# Altium PCB 10515.0462_全联供主板(2拼版)_V1.0.PcbDoc (part 3 of 18)
Units mm, origin at the board's own origin, x right, y up, seen from the top; angles counter-clockwise.
Board outline 282 x 198 mm, 2 copper layers (Top Layer, Bottom Layer); 716 components, 0 nets, 2364 pads, 1800 vias.
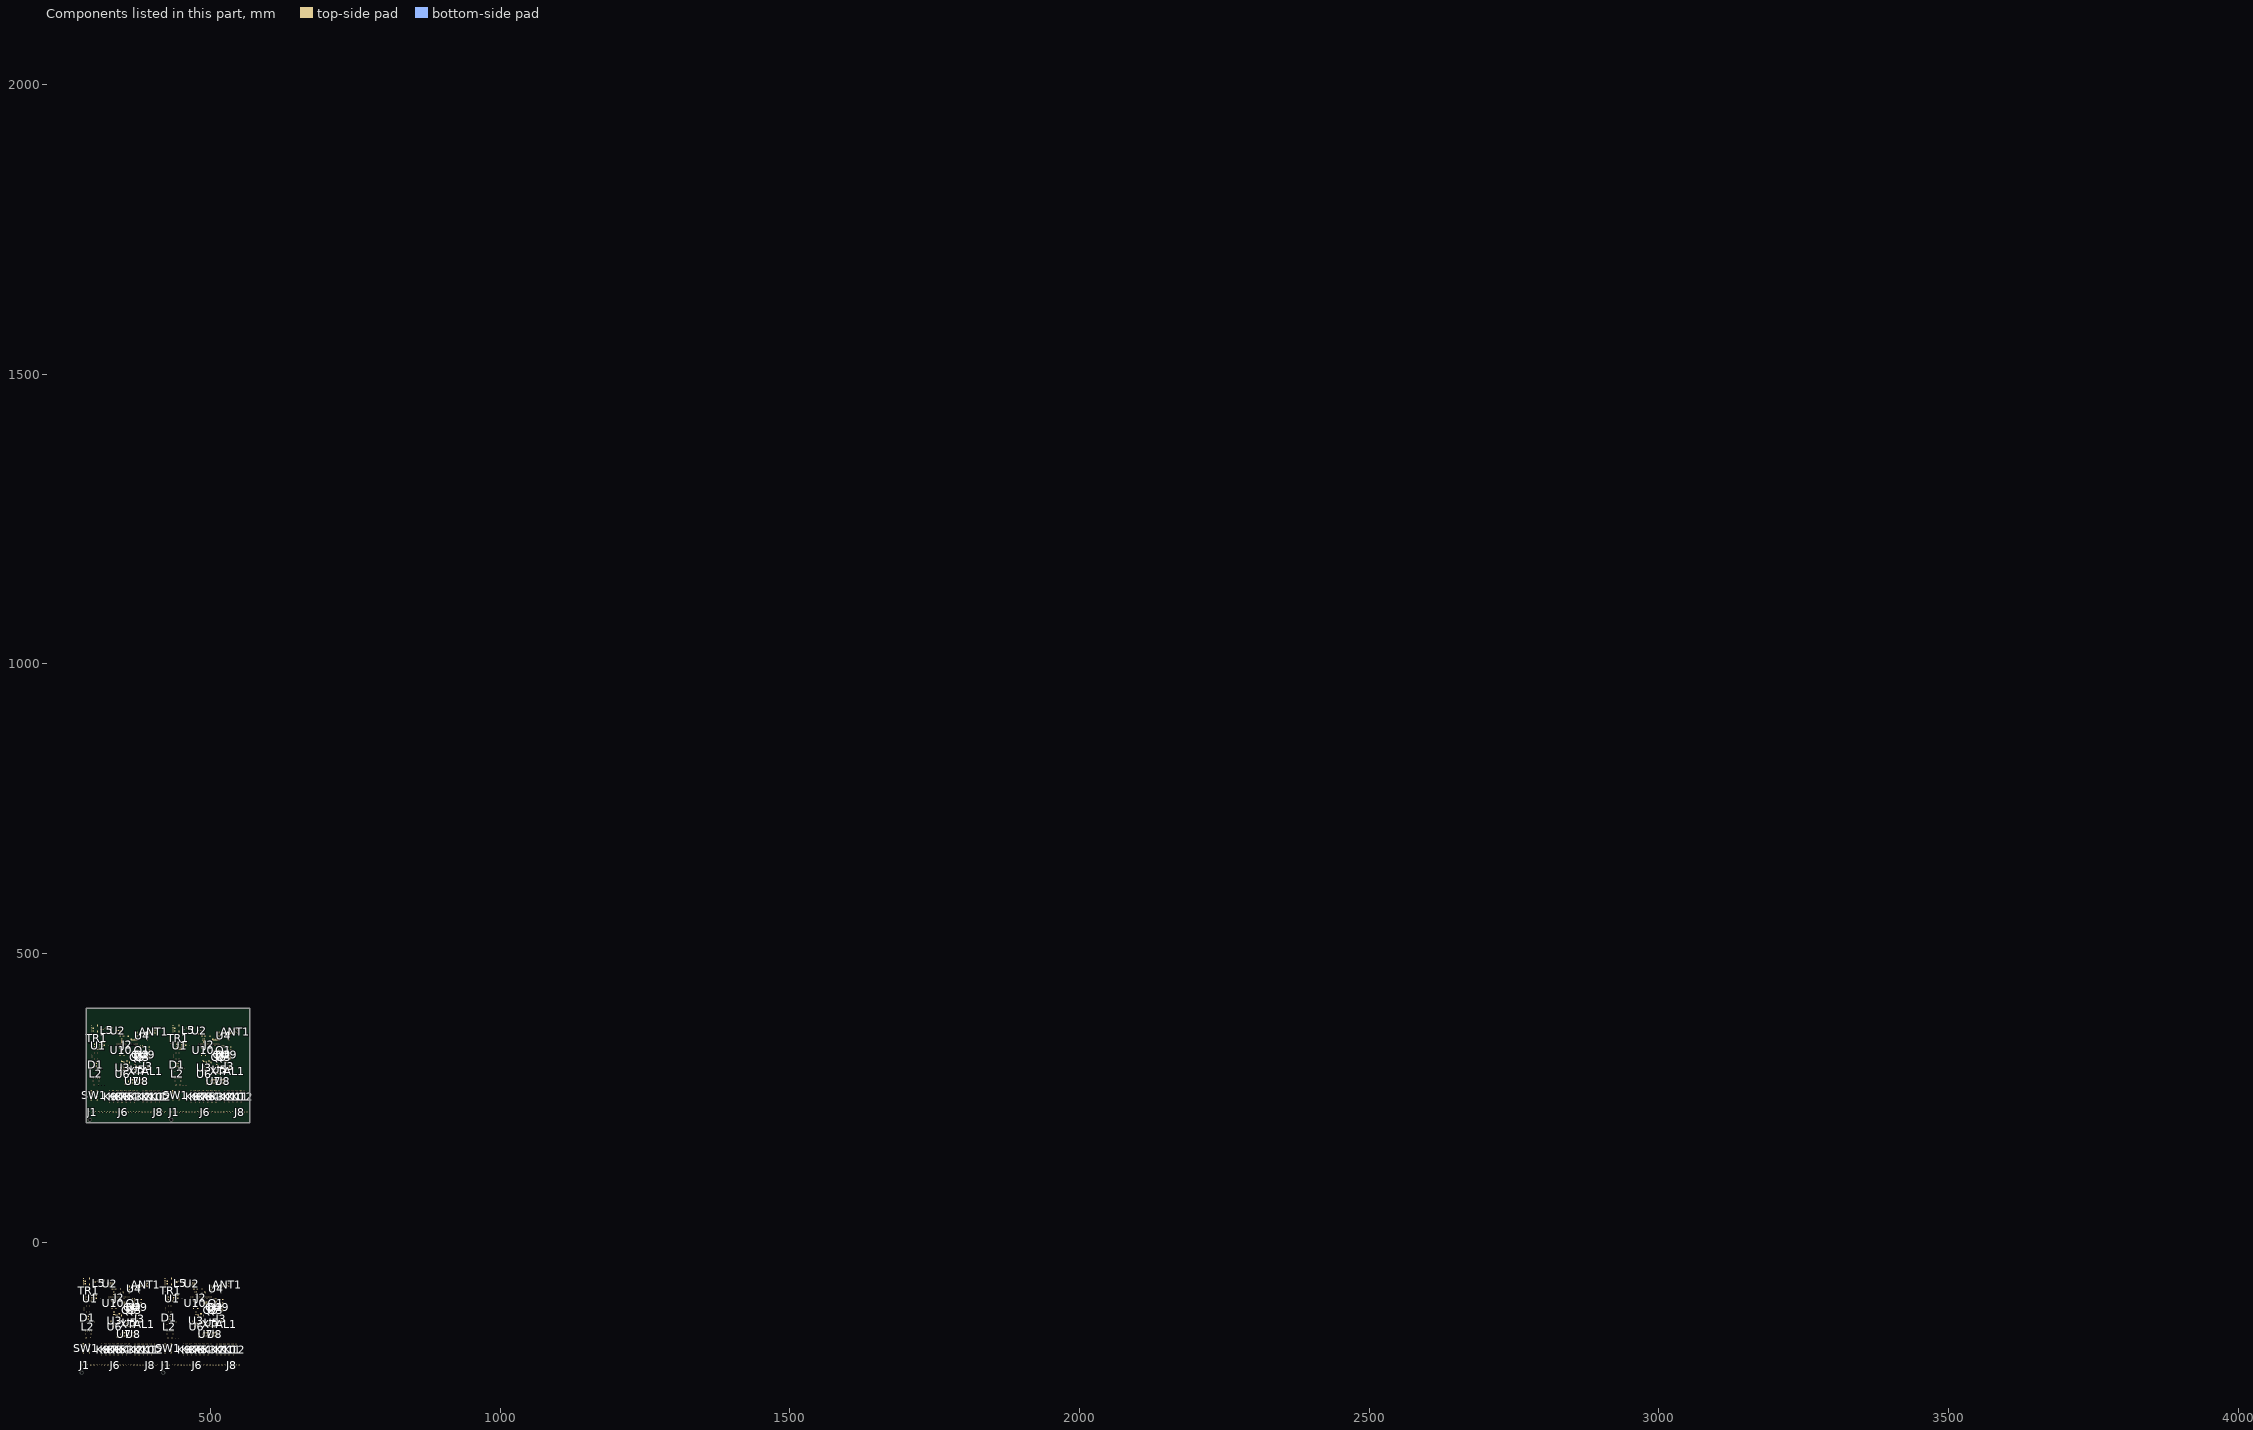
[diagram p3: the components of this part, seen from the top]

## Via types
v1: diameter 0.7, hole 0.4, Top Layer to Bottom Layer, tented both sides, 1800 vias

## Nets (pads, with @x,y where several pads share a name; then routed paths per layer and width w, separated by ;. In a path a pad name is that pad's centre, name@x,y a point inside that pad or via, vN(x,y) a via of type N, cw(c..) or ccw(c..) an arc to the next point about the centre after c; other vN are vias at no path point) (continued)
copper on no net: (continued)
  Top Layer w0.2: 323.371,-67.652 323.436,-67.652 ; 323.712,-72.355 ccw(c323.616,-72.151) 323.841,-72.151 ; 323.801,-72.683 cw(c324.172,-72.444) 323.86,-72.132 ; 323.841,-72.632 323.841,-72.151 ; 323.969,-72.575 cw(c324.386,-72.307) 324.036,-71.957 ; 323.971,-72.355 cw(c324.066,-72.151) 323.841,-72.151 ; 324.137,-72.467 cw(c324.6,-72.17) 324.211,-71.781 ; 324.458,-70.292 325.105,-70.292 325.481,-70.668 325.481,-71.4 325.1,-71.781 324.211,-71.781 ; 324.458,-68.992 325.095,-68.992 ; 324.858,-70.392 cw(c324.858,-71.23) 325.451,-70.638 ; 324.858,-70.192 cw(c324.858,-70.547) 325.109,-70.296 ; 324.891,-68.898 ccw(c325.015,-68.549) 325.276,-68.811 ; 324.91,-70.378 cw(c325.045,-70.599) 325.229,-70.416 ; 324.929,-70.363 cw(c325.099,-70.534) 325.099,-70.292 cw(c325.099,-70.051) 324.929,-70.222 ; 324.93,-69.062 cw(c325.095,-69.223) 325.095,-68.992 ; 324.93,-68.922 ccw(c325.095,-68.762) 325.095,-68.992 ; 325.06,-67.869 cw(c324.537,-68.392) 325.276,-68.392 cw(c326.016,-68.392) 325.493,-67.869 ; 325.276,-67.652 325.276,-68.811 ; v1@326.024,-70.292 327.204,-70.292 ; v1@326.166,-70.434 cw(c326.508,-70.776) 326.508,-70.292 ; v1@326.166,-70.08 ccw(c326.678,-69.568) 326.678,-70.292 ; 326.239,-68.483 ccw(c325.408,-67.652) 326.583,-67.652 ; 326.58,-68.142 ccw(c326.09,-67.652) 326.783,-67.652 ; 326.674,-68.048 cw(c326.889,-68.263) 326.889,-67.959 ; 326.733,-70.363 ccw(c326.563,-70.534) 326.563,-70.292 ccw(c326.563,-70.051) 326.733,-70.222 ; 326.733,-69.713 ccw(c326.563,-69.884) 326.563,-69.642 ccw(c326.563,-69.401) 326.733,-69.572 ; 326.927,-67.652 326.927,-67.795 326.116,-68.606 326.116,-69.368 326.39,-69.642 327.204,-69.642 328.503,-69.642 329.519,-70.658 ; 327.243,-136.468 327.274,-136.499 ; 327.675,-69.713 cw(c327.845,-69.884) 327.845,-69.642 cw(c327.845,-69.401) 327.675,-69.572 ; 328.786,-134.848 328.817,-134.848 328.892,-134.923 ; 328.817,-136.499 329.123,-136.193 ; 328.974,-70.112 cw(c328.367,-70.718) 329.225,-70.718 ; 329.091,-70.23 ccw(c329.531,-69.79) 329.531,-70.412 ; 329.277,-68.852 329.412,-68.987 329.531,-69.106 ; 337,368.943 337.065,368.943 ; 337.34,364.241 ccw(c337.245,364.445) 337.47,364.445 ; 337.43,363.913 cw(c337.801,364.151) 337.489,364.463 ; 337.46,-146.854 342.91,-146.854 343.314,-146.449 343.314,-140.308 343.601,-140.021 349.899,-140.021 ; 337.46,-145.584 342.402,-145.584 342.914,-145.071 342.914,-142.393 ; 337.47,363.963 337.47,364.445 ; 337.598,364.021 cw(c338.015,364.289) 337.664,364.639 ; 337.6,364.241 cw(c337.695,364.445) 337.47,364.445 ; 337.766,364.129 cw(c338.228,364.426) 337.84,364.814 ; 338.087,366.303 338.734,366.303 339.11,365.927 339.11,365.195 338.729,364.814 337.84,364.814 337.47,364.445 ; 338.087,367.603 338.724,367.603 ; 338.481,-91.369 338.481,-91.42 ; 338.487,366.203 cw(c338.487,365.365) 339.079,365.958 ; 338.487,366.403 cw(c338.487,366.048) 338.738,366.299 ; 338.52,367.698 ccw(c338.643,368.047) 338.905,367.785 ; 338.539,366.218 cw(c338.674,365.996) 338.857,366.18 ; 338.557,366.233 cw(c338.728,366.062) 338.728,366.303 cw(c338.728,366.545) 338.557,366.374 ; 338.558,367.534 cw(c338.724,367.373) 338.724,367.603 ; 338.558,367.673 ccw(c338.724,367.834) 338.724,367.603 ; 338.57,-146.998 cw(c338.919,-147.348) 338.919,-146.854 cw(c338.919,-146.359) 338.57,-146.709 ; 338.57,-145.728 cw(c338.919,-146.078) 338.919,-145.584 cw(c338.919,-145.089) 338.57,-145.439 ; 338.689,368.727 cw(c338.166,368.204) 338.905,368.204 cw(c339.645,368.204) 339.122,368.727 ; 338.905,368.943 338.905,367.785 ; v1@339.075,-108.463 ccw(c338.621,-108.425) 338.943,-108.103 ; 339.128,-93.967 cw(c339.738,-94.576) 339.805,-93.717 ; v1@339.303,-108.235 cw(c339.265,-107.781) 338.943,-108.103 ; 339.31,-93.785 ccw(c339.043,-93.517) 339.421,-93.517 ; v1(339.324,-108.484) 338.943,-108.103 ; 339.538,-96.34 cw(c338.252,-97.627) 340.071,-97.627 ; v1@339.653,366.303 340.833,366.303 ; 339.68,-96.199 cw(c338.734,-97.144) 340.071,-97.144 ; v1@339.795,366.162 cw(c340.136,365.82) 340.136,366.303 ; v1@339.795,366.515 ccw(c340.306,367.027) 340.306,366.303 ; 339.821,-96.057 cw(c339.217,-96.661) 340.071,-96.661 ; 339.821,-95.795 340.071,-96.046 340.071,-108.469 340.428,-108.825 351.314,-108.825 351.903,-109.414 351.903,-126.264 351.914,-126.264 352.278,-126.629 357.609,-126.629 358.272,-127.291 358.272,-131.621 ; 339.821,-93.255 339.821,-93.274 338.943,-94.152 338.943,-108.103 ; 339.867,368.112 ccw(c339.036,368.943) 340.212,368.943 ; 339.918,-134.923 339.993,-134.848 ; 340.209,368.454 ccw(c339.719,368.943) 340.412,368.943 ; 340.303,368.548 cw(c340.518,368.333) 340.518,368.637 ; 340.362,366.233 ccw(c340.191,366.062) 340.191,366.303 ccw(c340.191,366.545) 340.362,366.374 ; 340.362,366.883 ccw(c340.191,366.712) 340.191,366.953 ccw(c340.191,367.195) 340.362,367.024 ; v1@340.544,-107.545 ccw(c340.118,-107.118) 340.721,-107.118 ccw(c341.325,-107.118) v1@340.898,-107.545 ; 340.556,368.943 340.556,368.801 339.745,367.989 339.745,367.227 340.019,366.953 340.833,366.953 342.132,366.953 343.148,365.938 ; v1(340.721,-110.389) 340.721,-110.77 ; v1(340.721,-107.722) 340.721,-90.958 341.337,-90.342 374.865,-90.342 375.538,-89.669 375.538,-84.462 375.87,-84.13 ; 340.872,300.128 340.903,300.097 ; 341.303,366.883 cw(c341.474,366.712) 341.474,366.953 cw(c341.474,367.195) 341.303,367.024 ; v1@341.36,-107.214 ccw(c340.757,-107.214) 341.183,-106.787 ccw(c341.61,-106.36) v1@341.61,-106.964 ; v1(341.61,-107.214) 341.121,-106.725 341.121,-92.101 341.121,-91.339 341.718,-90.742 375.354,-90.742 376.027,-90.069 376.027,-86.64 376.537,-86.13 377.003,-86.13 ; v1(341.737,-110.389) 341.864,-110.262 350.269,-110.262 350.703,-110.697 350.703,-132.646 350.701,-132.648 350.701,-133.85 350.703,-133.852 350.703,-134.573 351.152,-135.021 354.372,-135.021 ; v1@341.772,-110.424 cw(c342.164,-110.816) 342.164,-110.262 ; v1@341.914,-110.566 cw(c342.647,-111.299) 342.647,-110.262 ; 342.078,-96.34 cw(c341.395,-97.023) 342.361,-97.023 cw(c343.327,-97.023) 342.644,-96.34 ; v1@342.122,-91.593 cw(c341.519,-91.593) 341.945,-92.02 cw(c342.372,-92.447) v1@342.372,-91.843 ; v1@342.195,-107.545 ccw(c341.769,-107.118) 342.372,-107.118 ccw(c342.976,-107.118) v1@342.549,-107.545 ; 342.361,-95.795 342.361,-106.314 343.022,-106.975 343.022,-107.864 343.584,-108.425 351.966,-108.425 352.303,-108.763 352.303,-125.756 352.684,-126.137 357.999,-126.137 358.772,-126.91 358.772,-131.621 ; 342.361,-93.255 343.161,-94.055 343.161,-106.467 343.422,-106.728 343.422,-107.698 343.749,-108.025 352.131,-108.025 352.703,-108.597 352.703,-125.292 353.04,-125.629 358.499,-125.629 359.272,-126.402 359.272,-131.621 ; v1(342.372,-107.722) 342.372,-106.96 341.521,-106.109 341.521,-92.444 v1(342.372,-91.593) ; 342.395,-93.715 cw(c342.515,-94.417) 343.019,-93.913 ; 342.415,301.748 342.446,301.748 342.52,301.673 ; 342.446,300.097 342.752,300.403 ; 342.602,366.483 cw(c341.996,365.877) 342.853,365.877 ; 342.72,366.366 ccw(c343.16,366.806) 343.16,366.183 ; v1@342.753,-112.036 cw(c342.753,-112.64) 343.18,-112.213 cw(c343.607,-111.786) v1@343.003,-111.786 ; v1(342.753,-111.786) 343.403,-112.436 344.658,-112.436 344.908,-112.186 349.249,-112.186 349.503,-112.44 349.503,-132.149 349.501,-132.151 349.501,-134.347 349.503,-134.349 349.503,-135.139 350.886,-136.521 354.372,-136.521 ; 342.761,-93.517 ccw(c343.094,-93.517) 342.859,-93.753 ; 342.906,367.744 343.041,367.608 343.16,367.49 ; 342.914,-141.134 342.914,-142.393 ; v1@343.465,-92.278 cw(c343.039,-92.705) 343.642,-92.705 cw(c344.246,-92.705) v1@343.819,-92.278 ; v1(343.642,-92.101) 343.642,-106.383 344.101,-106.842 ; v1@343.973,-107.164 ccw(c343.665,-106.856) 344.101,-106.856 ; v1(344.023,-111.786) 349.738,-111.786 349.903,-111.951 349.903,-132.315 349.901,-132.317 349.901,-134.181 349.903,-134.183 349.903,-134.973 350.951,-136.021 354.372,-136.021 ; v1(344.15,-107.341) 344.101,-107.292 344.101,-106.842 ; v1@344.2,-111.963 cw(c344.627,-112.39) 344.627,-111.786 cw(c344.627,-111.182) v1@344.2,-111.609 ; 344.212,-93.944 cw(c344.778,-94.51) 344.876,-93.716 ; v1@344.268,-107.121 cw(c344.417,-106.842) 344.101,-106.842 ; 344.403,-93.753 ccw(c344.168,-93.517) 344.501,-93.517 ; 344.617,-136.435 344.642,-136.461 ; 344.618,-96.34 cw(c343.935,-97.023) 344.901,-97.023 cw(c345.867,-97.023) 345.184,-96.34 ; 344.901,-95.795 344.901,-106.441 345.686,-107.225 353.179,-107.225 353.503,-107.55 353.503,-124.403 353.929,-124.829 359.461,-124.829 360.272,-125.64 360.272,-131.621 ; 344.901,-93.255 344.054,-94.103 344.054,-106.228 345.451,-107.625 352.69,-107.625 353.103,-108.039 353.103,-124.911 353.421,-125.229 358.98,-125.229 359.772,-126.021 359.772,-131.621 ; v1@345.293,-112.929 v1(345.547,-112.929) 348.468,-112.929 349.103,-113.564 349.103,-131.984 349.101,-131.986 349.101,-134.512 349.103,-134.514 349.103,-135.386 350.739,-137.021 354.372,-137.021 ; v1@345.678,-106.452 ccw(c345.075,-106.452) 345.501,-106.025 ccw(c345.928,-105.598) v1@345.928,-106.202 ; v1@345.724,-113.106 cw(c346.151,-113.533) 346.151,-112.929 cw(c346.151,-112.325) v1@345.724,-112.752 ; v1@345.751,-92.278 cw(c345.325,-92.705) 345.928,-92.705 cw(c346.532,-92.705) v1@346.105,-92.278 ; v1(345.928,-106.452) 345.42,-105.944 345.42,-97.17 345.928,-96.662 v1(345.928,-92.101) ; 346.102,-136.461 346.127,-136.461 ; 346.187,-138.115 cw(c345.504,-138.798) 346.47,-138.798 cw(c347.436,-138.798) 346.753,-138.115 ; 346.47,-137.832 346.47,-138.848 346.654,-139.032 354.361,-139.032 354.372,-139.021 ; 347.436,-153.924 ccw(c347.009,-153.497) 347.613,-153.497 ccw(c348.217,-153.497) 347.79,-153.924 ; 347.507,-136.097 347.833,-136.424 349.507,-136.424 350.604,-137.521 354.372,-137.521 ; 347.613,-154.85 347.613,-150.278 348.267,-149.624 356.757,-149.624 357.272,-149.109 357.272,-143.921 ; 347.897,-105.537 cw(c347.374,-106.06) 348.114,-106.06 cw(c348.854,-106.06) 348.331,-105.537 ; 347.994,-137.832 347.994,-138.285 348.341,-138.632 353.118,-138.632 353.229,-138.521 354.372,-138.521 ; 348.058,-136.652 cw(c348.609,-137.203) 348.609,-136.424 ; 348.058,-136.219 ccw(c348.554,-135.723) 348.554,-136.424 ; 348.114,-105.32 348.114,-106.471 348.468,-106.825 353.515,-106.825 353.903,-107.214 353.903,-124.105 354.227,-124.429 360.069,-124.429 360.772,-125.132 360.772,-131.621 ; 348.114,-103.669 v1@348.756,-103.669 ; 348.399,-103.85 cw(c348.756,-104.111) v1@348.756,-103.669 ; 348.399,-103.489 ccw(c348.756,-103.228) v1@348.756,-103.669 ; 348.706,-153.924 ccw(c348.279,-153.497) 348.883,-153.497 ccw(c349.487,-153.497) 349.06,-153.924 ; v1@348.706,-103.846 ccw(c348.279,-104.273) 348.279,-103.669 ccw(c348.279,-103.066) v1@348.706,-103.493 ; 348.883,-154.85 348.883,-150.786 349.645,-150.024 357.138,-150.024 357.772,-149.39 357.772,-143.921 ; 349.682,-141.238 ccw(c349.159,-140.715) 349.899,-140.715 ccw(c350.639,-140.715) 350.116,-141.238 ; 349.707,-138.021 354.372,-138.021 ; 349.899,-141.492 349.899,-140.021 ; 349.976,-153.924 ccw(c349.549,-153.497) 350.153,-153.497 ccw(c350.757,-153.497) 350.33,-153.924 ; 350.153,-154.85 350.153,-151.167 350.845,-150.475 357.703,-150.475 358.272,-149.906 358.272,-143.921 ; 351.089,289.742 356.539,289.742 356.943,290.146 356.943,296.287 357.229,296.574 363.528,296.574 ; 351.089,291.012 356.031,291.012 356.543,291.524 356.543,294.202 ; 351.246,-153.924 ccw(c350.819,-153.497) 351.423,-153.497 ccw(c352.027,-153.497) 351.6,-153.924 ; 351.423,-154.85 351.423,-151.421 351.969,-150.875 358.192,-150.875 358.772,-150.295 358.772,-143.921 ; 351.46,-105.537 cw(c350.937,-106.06) 351.677,-106.06 cw(c352.417,-106.06) 351.894,-105.537 ; 351.632,-101.941 v1@352.262,-101.941 ; 351.657,-141.49 351.727,-141.49 ; 351.677,-105.32 351.677,-106.078 352.024,-106.425 354.03,-106.425 354.303,-106.699 354.303,-123.724 354.303,-123.768 354.564,-124.029 360.55,-124.029 361.272,-124.751 361.272,-131.621 ; 351.677,-103.669 v1(352.439,-103.669) ; 351.727,-143.141 352.464,-143.141 ; 351.92,-102.118 cw(c352.262,-102.36) v1@352.262,-101.941 ; 351.92,-101.765 ccw(c352.262,-101.523) v1@352.262,-101.941 ; 351.935,-103.883 cw(c352.439,-104.371) v1@352.439,-103.669 ; 351.935,-103.456 ccw(c352.439,-102.968) v1@352.439,-103.669 ; 351.944,-143.357 cw(c352.464,-143.875) 352.464,-143.141 ; 351.944,-142.925 ccw(c352.464,-142.407) 352.464,-143.141 ; 352.11,345.226 352.11,345.175 ; 352.199,289.597 cw(c352.548,289.247) 352.548,289.742 cw(c352.548,290.236) 352.199,289.887 ; 352.199,290.867 cw(c352.548,290.517) 352.548,291.012 cw(c352.548,291.506) 352.199,291.157 ; v1@352.212,-102.118 ccw(c351.785,-102.545) 351.785,-101.941 ccw(c351.785,-101.338) v1@352.212,-101.765 ; v1@352.262,-103.846 ccw(c351.835,-104.273) 351.835,-103.669 ccw(c351.835,-103.066) v1@352.262,-103.493 ; 352.516,-153.924 ccw(c352.089,-153.497) 352.693,-153.497 ccw(c353.297,-153.497) 352.87,-153.924 ; 352.521,-93.917 cw(c352.521,-95.516) 353.651,-94.386 cw(c354.781,-93.255) 353.183,-93.255 ; 352.521,-93.717 cw(c352.521,-94.833) 353.31,-94.044 cw(c354.098,-93.255) 352.983,-93.255 ; 352.521,-93.255 353.802,-94.537 353.802,-98.324 354.075,-98.597 357.485,-98.597 357.823,-98.935 357.823,-99.805 358.12,-100.102 371.328,-100.102 371.709,-100.483 371.709,-113.564 372.217,-114.072 ; 352.693,-154.85 352.693,-151.929 353.347,-151.275 358.554,-151.275 359.272,-150.557 359.272,-143.921 ; v1@352.704,328.132 ccw(c352.25,328.17) 352.572,328.492 ccw(c352.894,328.815) v1@352.932,328.361 ; 352.757,342.629 cw(c353.367,342.019) 353.434,342.879 ; v1@352.786,-81.56 355.834,-81.56 356.45,-81.56 356.704,-81.306 356.704,-72.784 357.358,-72.13 359.303,-72.13 ; v1@352.913,-141.021 354.372,-141.021 ; 352.939,342.811 ccw(c352.672,343.078) 353.05,343.078 ; v1(352.953,328.111) 352.572,328.492 352.572,342.443 353.45,343.321 353.45,343.34 ; 353.167,340.255 cw(c351.88,338.969) 353.7,338.969 ; v1(353.294,-82.322) 353.548,-82.068 355.58,-82.068 356.85,-82.068 357.104,-81.814 357.104,-81.179 357.104,-74.575 357.549,-74.13 359.303,-74.13 ; 353.308,340.397 cw(c352.363,339.451) 353.7,339.451 ; 353.389,-141.663 cw(c353.707,-141.981) 353.707,-141.531 ; 353.443,-141.61 cw(c353.646,-141.813) 353.705,-141.531 ; 353.45,340.538 cw(c352.846,339.934) 353.7,339.934 ; 353.45,340.8 353.7,340.55 353.7,328.126 354.056,327.77 364.943,327.77 365.532,327.181 365.532,310.331 365.542,310.331 365.907,309.967 371.238,309.967 371.901,309.304 371.901,304.974 ; 353.547,301.673 353.622,301.748 ; 353.786,-153.924 ccw(c353.359,-153.497) 353.963,-153.497 ccw(c354.567,-153.497) 354.14,-153.924 ; v1@353.929,-82.957 356.469,-82.957 357.358,-82.957 357.612,-82.703 357.612,-80.384 357.866,-80.13 ; 353.963,-154.85 353.963,-152.183 354.471,-151.675 359.043,-151.675 359.772,-150.946 359.772,-143.921 ; v1@354.106,-83.134 cw(c354.533,-83.561) 354.533,-82.957 cw(c354.533,-82.353) v1@354.106,-82.78 ; v1@354.173,329.05 ccw(c353.746,329.477) 354.35,329.477 ccw(c354.953,329.477) v1@354.527,329.05 ; v1(354.35,326.206) 354.35,325.825 ; v1(354.35,328.873) 354.35,345.637 354.966,346.253 388.494,346.253 389.167,346.926 389.167,352.133 389.499,352.465 ; 354.372,-141.521 353.531,-141.521 352.82,-142.232 352.82,-142.785 352.464,-143.141 ; 354.372,-140.521 363.768,-140.521 364.055,-140.234 364.055,-133.41 364.993,-132.472 365.979,-132.472 v1(366.629,-133.122) ; 354.372,-140.021 349.899,-140.021 ; 354.372,-139.521 343.212,-139.521 342.914,-139.819 342.914,-142.393 ; 354.372,-135.521 351.017,-135.521 350.303,-134.808 350.303,-134.017 350.301,-134.015 350.301,-132.483 350.303,-132.481 350.303,-111.211 350.117,-111.024 342.021,-111.024 342.006,-111.039 340.99,-111.039 340.721,-110.77 ; 354.372,-134.521 351.414,-134.521 351.103,-134.211 351.103,-133.686 351.101,-133.684 351.101,-132.814 351.103,-132.812 351.103,-110.322 350.407,-109.625 338.63,-109.625 338.081,-109.077 338.081,-89.915 338.562,-89.434 374.122,-89.434 374.63,-88.926 374.63,-80.798 375.298,-80.13 377.003,-80.13 ; 354.372,-134.021 351.781,-134.021 351.503,-133.744 351.503,-133.52 351.501,-133.518 351.501,-132.98 351.503,-132.978 351.503,-109.814 350.915,-109.225 338.796,-109.225 338.481,-108.911 338.481,-91.42 ; 354.593,-96.264 cw(c353.463,-97.394) 355.061,-97.394 cw(c356.659,-97.394) 355.529,-96.264 ; 354.734,-96.122 cw(c353.946,-96.911) 355.061,-96.911 cw(c356.176,-96.911) 355.388,-96.122 ; 354.882,-105.537 cw(c354.359,-106.06) 355.099,-106.06 cw(c355.839,-106.06) 355.316,-105.537 ; 354.915,-129.971 cw(c354.392,-130.494) 355.131,-130.494 cw(c355.871,-130.494) 355.348,-129.971 ; v1@354.989,329.381 ccw(c354.385,329.381) 354.812,329.808 ccw(c355.239,330.235) v1@355.239,329.631 ; 355.056,-153.924 ccw(c354.629,-153.497) 355.233,-153.497 ccw(c355.837,-153.497) 355.41,-153.924 ; 355.061,-95.795 355.061,-97.932 355.326,-98.197 357.745,-98.197 358.227,-98.679 358.227,-99.428 358.501,-99.702 371.69,-99.702 372.109,-100.121 372.109,-100.864 372.109,-113.202 372.344,-113.437 373.233,-113.437 373.614,-113.818 ; 355.061,-93.917 cw(c355.061,-95.516) 356.191,-94.386 cw(c357.321,-93.255) 355.723,-93.255 ; 355.061,-93.717 cw(c355.061,-94.833) 355.85,-94.044 cw(c356.638,-93.255) 355.523,-93.255 ; 355.061,-93.255 356.215,-94.41 356.215,-97.543 356.469,-97.797 357.911,-97.797 358.311,-98.197 364.871,-98.197 ; 355.099,-105.32 355.099,-106.298 354.703,-106.694 354.703,-123.216 354.703,-123.26 355.072,-123.629 360.819,-123.629 361.772,-124.582 361.772,-131.621 ; 355.099,-103.669 355.443,-103.669 355.106,-103.669 ; 355.131,-129.754 355.131,-130.514 355.453,-130.836 356.596,-130.836 ; 355.233,-154.85 355.233,-152.818 355.868,-152.183 359.297,-152.183 360.272,-151.208 360.272,-143.921 ; v1(355.239,329.381) 354.75,329.87 354.75,344.494 354.75,345.256 355.347,345.853 388.983,345.853 389.656,346.526 389.656,349.955 390.166,350.465 390.632,350.465 ; 355.324,-114.27 ccw(c354.778,-113.724) 355.551,-113.724 ; 355.334,-112.96 cw(c354.811,-113.483) 355.551,-113.483 cw(c356.29,-113.483) 355.767,-112.96 ; v1(355.366,326.206) 355.493,326.333 363.897,326.333 364.332,325.899 364.332,303.949 364.33,303.947 364.33,302.746 364.332,302.744 364.332,302.023 364.781,301.574 368.001,301.574 ; v1@355.401,326.171 cw(c355.793,325.779) 355.793,326.333 ; v1@355.543,326.03 cw(c356.276,325.296) 356.276,326.333 ; 355.551,-114.439 355.551,-112.743 ; 355.551,-113.77 ccw(c356.258,-113.77) 355.758,-114.27 ; 355.707,340.255 cw(c355.024,339.572) 355.99,339.572 cw(c356.955,339.572) 356.273,340.255 ; v1@355.751,345.002 cw(c355.147,345.002) 355.574,344.576 cw(c356.001,344.149) v1@356.001,344.752 ; v1@355.824,329.05 ccw(c355.397,329.477) 356.001,329.477 ccw(c356.604,329.477) v1@356.178,329.05 ; 355.99,340.8 355.99,330.282 356.651,329.62 356.651,328.731 357.212,328.17 365.594,328.17 365.932,327.832 365.932,310.839 366.313,310.458 371.627,310.458 372.401,309.685 372.401,304.974 ; 355.99,343.34 356.79,342.54 356.79,330.128 357.051,329.867 357.051,328.897 357.378,328.57 365.76,328.57 366.332,327.998 366.332,311.303 366.669,310.966 372.127,310.966 372.901,310.193 372.901,304.974 ; v1(356.001,328.873) 356.001,329.635 355.15,330.486 355.15,344.151 v1(356.001,345.002) ; 356.024,342.881 cw(c356.144,342.179) 356.647,342.682 ; v1@356.382,324.559 cw(c356.382,323.956) 356.809,324.383 cw(c357.235,324.809) v1@356.632,324.809 ; v1(356.382,324.809) 357.032,324.159 358.287,324.159 358.537,324.409 362.878,324.409 363.132,324.155 363.132,304.446 363.13,304.444 363.13,302.249 363.132,302.247 363.132,301.457 364.514,300.074 368.001,300.074 ; 356.39,343.078 ccw(c356.723,343.078) 356.487,342.842 ; 356.457,-130.836 cw(c356.457,-131.271) 356.765,-130.963 ; 356.543,295.461 356.543,294.202 ; 356.66,-130.9 ccw(c356.772,-130.788) 356.772,-130.946 ; 356.762,-130.959 ccw(c356.596,-131.01) 356.596,-130.836 ; 356.772,-143.921 356.772,-141.963 357.104,-141.631 363.835,-141.631 364.455,-141.011 364.455,-133.645 364.978,-133.122 v1(365.613,-133.122) ; 356.772,-131.621 356.772,-131.012 356.596,-130.836 ; 356.782,-129.754 357.272,-130.244 357.272,-131.621 ; 356.833,-130.061 cw(c356.855,-130.623) 357.253,-130.225 cw(c357.587,-129.891) 357.122,-129.808 ; 356.985,-116.474 cw(c356.462,-116.997) 357.202,-116.997 cw(c357.941,-116.997) 357.418,-116.474 ; v1@357.094,344.318 cw(c356.667,343.891) 357.271,343.891 cw(c357.874,343.891) v1@357.448,344.318 ; 357.202,-116.257 357.202,-120.243 